# Altium PCB JDR2812（公开）.PcbDoc (part 1 of 3) (continued)
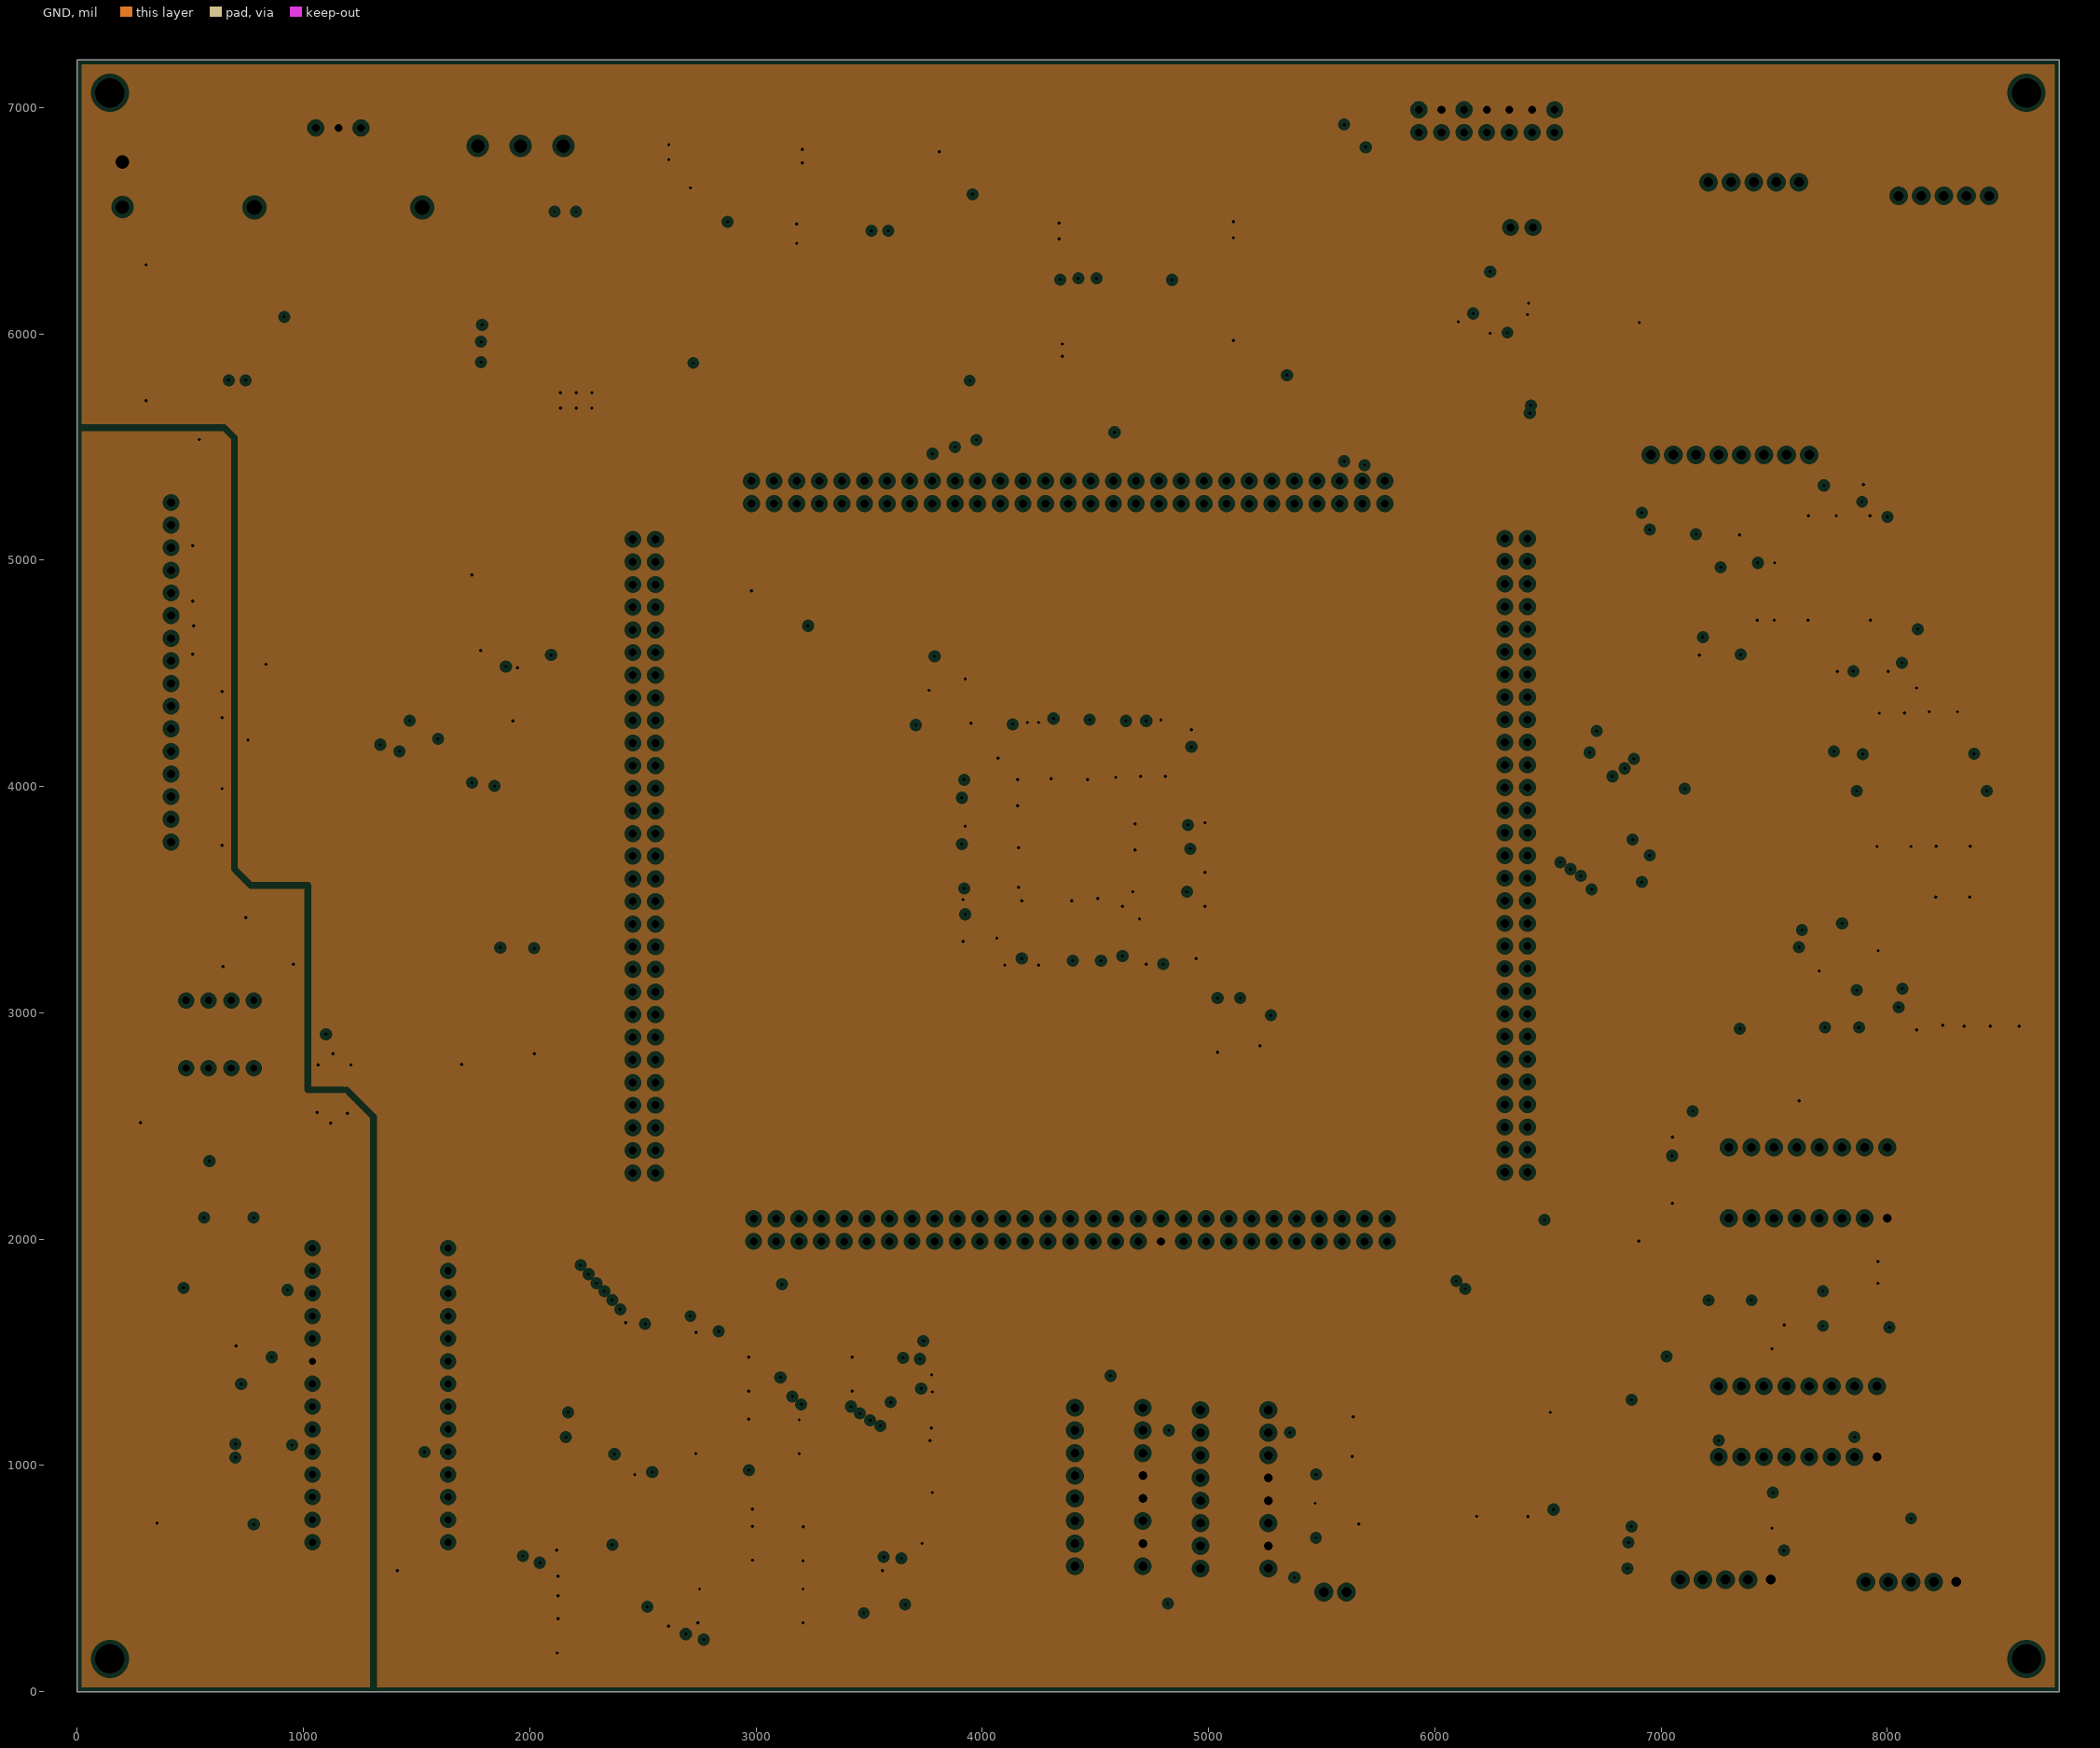
[diagram p3: GND, clearances drawn from the general rule]

## Layer stack, top to bottom
Top Solder: solder mask 0.4, Solder Resist, Dk 3.5
Top Layer: signal copper 1.4
Dielectric 1: dielectric 12.6, FR-4, Dk 4.8
VCC: plane copper 1.4, net (Multiple Nets)
Dielectric2: dielectric 12.6, FR-4, Dk 4.8
GND: plane copper 1.4, net (Multiple Nets)
Dielectric3: dielectric 12.6, FR-4, Dk 4.8
Bottom Layer: signal copper 1.4
Bottom Solder: solder mask 0.4, Solder Resist, Dk 3.5

## Board outline
0,0 0,7210 8760,7210 8760,0

## Design rules (kind name [scope] priority, off if disabled: settings)
Clearance [All] p1: gap=10 ignorepadtopadclearanceinfootprint=TRUE
DiffPairsRouting [All] p1: maxlimit=10 minlimit=10 mostfreqgap=10 toplayer_minwidth=10 toplayer_maxwidth=15 toplayer_prefwidth=15 bottomlayer_minwidth=10 bottomlayer_maxwidth=15 bottomlayer_prefwidth=15 maxuncoupledlength=15000
DiffPairsRouting RXDiffPairsRouting [InDifferentialPair ('RX2') Or InDifferentialPair ('RX1')] p2: maxlimit=10 minlimit=10 mostfreqgap=10 toplayer_minwidth=15 toplayer_maxwidth=15 toplayer_prefwidth=15 bottomlayer_minwidth=15 bottomlayer_maxwidth=15 bottomlayer_prefwidth=15 maxuncoupledlength=500
DiffPairsRouting TX2DiffPairsRouting [InDifferentialPair ('TX2')] p3: maxlimit=10 minlimit=10 mostfreqgap=10 toplayer_minwidth=15 toplayer_maxwidth=15 toplayer_prefwidth=15 bottomlayer_minwidth=15 bottomlayer_maxwidth=15 bottomlayer_prefwidth=15 maxuncoupledlength=500
DiffPairsRouting TX1DiffPairsRouting [All] p4: maxlimit=10 minlimit=10 mostfreqgap=10 toplayer_minwidth=15 toplayer_maxwidth=15 toplayer_prefwidth=15 bottomlayer_minwidth=15 bottomlayer_maxwidth=15 bottomlayer_prefwidth=15 maxuncoupledlength=500
HoleSize [All] p1: absolutevalues=TRUE maxlimit=150 minlimit=1 maxpercent=80.000 minpercent=20.000
MatchedLengths RX2MatchedLengths [InDifferentialPair('D_RX2')] p1: tolerance=1000 checknetsindiffpair=FALSE checkdiffpairvsdiffpair=TRUE checkxsignals=TRUE checkothers=TRUE
MatchedLengths RX1MatchedLengths [InDifferentialPair('D_RX1')] p2: tolerance=1000 checknetsindiffpair=FALSE checkdiffpairvsdiffpair=TRUE checkxsignals=TRUE checkothers=TRUE
MatchedLengths TX2MatchedLengths [InDifferentialPair('D_TX2')] p3: tolerance=1000 checknetsindiffpair=FALSE checkdiffpairvsdiffpair=TRUE checkxsignals=TRUE checkothers=TRUE
MatchedLengths TX1MatchedLengths [InDifferentialPair('D_TX1')] p4: tolerance=1000 checknetsindiffpair=FALSE checkdiffpairvsdiffpair=TRUE checkxsignals=TRUE checkothers=TRUE
MinimumSolderMaskSliver [All] p1: minsoldermaskwidth=0
PlaneClearance [All] p1: clearance=20
PlaneConnect [All] p1: planeconnectstyle=Relief reliefexpansion=20 reliefentries=4 reliefconductorwidth=10 reliefairgap=10
PolygonConnect [All] p1: connectstyle=Relief reliefconductorwidth=10 reliefentries=4 polygonreliefangle="90 Angle" airgapwidth=10
RoutingVias RoutingVias_1 [All] p1: holewidth=12 width=26 viastyle="Through Hole" minholewidth=12 minwidth=24 maxholewidth=150 maxwidth=150
RoutingVias 电源过孔 [InNetClass('电源&地')] p2: holewidth=14 width=40 viastyle="Through Hole" minholewidth=14 minwidth=24 maxholewidth=20 maxwidth=40
SilkToSilkClearance [All] p1: silktosilkclearance=2
SilkToSolderMaskClearance [IsPad] p1: minsilkscreentomaskgap=0 clearancetoexposedcopper=TRUE
SolderMaskExpansion [All] p1: expansion=4 istentingtop=FALSE
Width 电源线 [InNetClass('电源&地')] p1: maxlimit=35 minlimit=10 preferedwidth=30
Width Width_1 [All] p2: maxlimit=10 minlimit=6 preferedwidth=10 minimp=50.000000 maximp=50.000000 favimp=50.000000
23 further rules are at their usual default settings.

## Classes and differential pairs
net class 电源&地: 1.8V 3.3V 3.3V_1 5V 12V 12V_1 +12V -12V GND GND_OC GNDA NetD2_2 NetD3_2 NetD9_2
differential pair D_RX1: +RX1+ -RX1-
differential pair D_RX2: +RX2+ -RX2-
differential pair D_TX2: +TX2+ -TX2-
differential pair D_TX1: +TX1+ -TX1-

## Components (designator, comment, footprint, x,y, rotation, side; value= is the part's Value field where it differs from the comment)
#R2 "50K" R0805#1 912.2,2096 r180 top
#R3 "50K" R0805#1 821,1759 r0 top
C1 "104" C0805#1 1729,4251.8 r90 bottom
C2 "104" C0805#1 1851,4253.2 r270 bottom
C3 "104" C0805#1 1901,4703.2 r270 bottom
C4 "104" C0805#1 1774,4701.8 r90 bottom
C5 "104" C0805#2 7551,761.8 r90 bottom
C6 "104" C0805#1 820.9,1186 r0 bottom
C7 "104" C0805#1 823.2,1289 r180 bottom
C8 "104" C0805#1 820.9,1651 r0 bottom
C9 "104" C0805#1 824.1,1519.9 r180 bottom
C10 "104" C0805#1 469,2480 r270 top
C11 "104" C0805#1 371,2476.8 r90 top
C12 "钽电容E型100uF/25V" "钽电容 E壳(7342H)" 2485,6660 r90 top value=100uF/25V
C13 "钽电容D型100uF/16V" "钽电容 D壳(7343)" 3256.39,6648.43 r270 top value=100uF/16V
C14 "104" C0805#2 2773.2,6494 r180 top value=10nF
C15 "104" C0805#2 2763.2,6809 r180 top value=10nF
C16 "钽电容B型22uF/16V" "钽电容 B壳(3528)" 4234.99,6352.14 r90 top value=22uF/16V
C17 "104" C0805#2 4431,6383.2 r270 top
C18 "钽电容B型22uF/16V" "钽电容 B壳(3528)" 5224.99,6352.14 r90 top value=22uF/16V
C19 "104" C0805#2 5000,6395 r270 top
C20 "104" C0805#2 1739,4815 r90 top
C21 "104" C0805#2 7134,2408.2 r270 bottom
C22 "104" C0805#1 809,3330 r90 bottom
C23 "104" C0805#1 961,3330 r270 bottom
C24 "104" C0805#1 820.9,1071 r0 bottom
C25 "104" C0805#1 820.9,1421 r0 bottom
C26 "钽电容B型22uF/16V" "钽电容 B壳(3528)" 4239.99,5862.14 r90 top value=22uF/16V
C27 "104" C0805#2 4451,5873.2 r270 top
C28 "钽电容B型22uF/16V" "钽电容 B壳(3528)" 5234.99,5887.14 r90 top value=22uF/16V
C29 "104" C0805#2 5016,5928.2 r270 top
C30 "钽电容E型100uF/25V" "钽电容 E壳(7342H)" 3365,6640 r90 top value=100uF/25V
C31 "钽电容D型100uF/16V" "钽电容 D壳(7343)" 3718.61,6621.57 r90 top value=100uF/16V
C32 "104" C0805#2 3704,6501.8 r90 top value=10nF
C33 "104" C0805#2 3709,6756.8 r90 top value=10nF
C34 "104" C0805#2 7706,3325.9 r90 bottom
C35 "104" C0805#2 7956,4183.2 r270 bottom
C36 "0.1uF" C0805#2 4474,4167.2 r270 bottom value=100pF
C37 "0.1uF" C0805#2 4794,3373.2 r270 bottom value=100pF
C39 "0.1uF" C0805#2 4804,4168.2 r270 bottom value=100pF
C40 "0.1uF" C0805#2 4029.1,3735 r180 bottom value=100pF
C41 "0.1uF" C0805#2 4169,3363.2 r270 bottom value=100pF
C42 "0.1uF" C0805#2 4316,4169 r90 bottom value=100pF
C43 "0.1uF" C0805#2 4706,4165.9 r90 bottom value=100pF
C44 "0.1uF" C0805#2 4796.8,3829 r0 bottom value=100pF
C45 "0.1uF" C0805#2 4614,3360.1 r270 bottom value=100pF
C46 "0.1uF" C0805#2 4028.2,3441 r180 bottom value=100pF
C47 "0.1uF" C0805#2 4796.8,3529 r0 bottom value=100pF
C48 "0.1uF" C0805#2 4025,4036 r180 bottom value=100pF
C49 "0.1uF" C0805#2 4025,3921 r180 bottom value=100pF
C50 "0.1uF" C0805#2 4186,4160 r90 bottom value=100pF
C51 "0.1uF" C0805#2 4026.8,3549 r0 bottom value=100pF
C52 "0.1uF" C0805#2 4389,3370 r270 bottom value=100pF
C53 "104" C0805#2 5046,2935 r90 bottom
C54 "105" C0805#2 3660,4430 r180 bottom
C55 "104" C0805#2 6285,6096 r180 bottom
C56 "104" C0805#2 8301,4183.2 r270 bottom
C57 "104" C0805#2 8136,3065.9 r90 bottom
C58 "104" C0805#2 7804,5298.2 r270 bottom
C59 "104" C0805#2 8141,4580 r90 bottom
C60 "104" C0805#2 2614,1618 r0 bottom
C61 "104" C0805#2 3691,1407 r180 bottom
C62 "104" C0805#2 7271,4620 r90 bottom
C63 "104" C0805#2 7255.67,5075 r270 bottom
C64 "104" C0805#2 3692.2,1285 r180 bottom
C65 "104" C0805#2 2501.8,1044 r0 bottom
C66 "104" C0805#2 2245,599 r0 bottom
C67 "104" C0805#2 3606,662 r180 bottom
C68 "104" C0805#2 5515,745 r180 bottom
C69 "104" C0805#2 3556,391 r180 bottom
C70 "104" C0805#2 2650,375 r0 bottom
C71 "104" C0805#2 6179,905 r90 top
C72 "104" C0805#2 5507.8,885 r0 bottom
C73 "22uF" C0805#2 6405,910 r90 top
C74 "0.1uF" C0805#2 4596,4165 r90 bottom value=100pF
C75 "0.1uF" C0805#2 4504,3370 r270 bottom value=100pF
C76 "0.1uF" C0805#2 4795,3719 r0 bottom value=100pF
CT1 "22uF" "钽电容 C壳(6032)" 585,981.89 r270 bottom
CT2 "22uF" "钽电容 C壳(6032)" 355,976.89 r270 bottom
CT3 "22uF" "钽电容 C壳(6032)" 355,1465 r270 bottom
CT4 "22uF" "钽电容 C壳(6032)" 575,1470 r270 bottom
D1 "CD40109BNSR" SOP16 1655,4490.11 r270 top
D2 "SR560" DO-201AD 1140,6550 r0 top
D3 "1N5824" SOD-323_L1.7-W1.3-LS2.5-FD 47899.39,-41009.65 r270 top
D4 "FOP07ARDC" DIP8 630,2900 r0 top
D5 "SMF5.0A" SOD-123FL_L2.7-W1.8-LS3.8-RD 54450.54,-45387.44 r270 top
D6 "SMF5.0A_C908213" SOD-123FL_L2.7-W1.8-LS3.8-RD -39932.44,-44880.54 r180 top
D7 "SMF5.0A" SOD-123FL_L2.7-W1.8-LS3.8-RD 54752.44,48765.54 r0 top
D8 "SMF5.0A" SOD-123FL_L2.7-W1.8-LS3.8-RD 54752.44,48860.54 r0 top
D9 "1N5824" SOD-323_L1.7-W1.3-LS2.5-FD 49774.39,-40969.65 r270 top
J1 "Header 5" KF2EDGK-2.54-WI-5P#1 7285,495 r0 top
J2 "Header 3" HDR1X3 1055,6910 r0 top
J3 "Header 5" KF2EDGK-2.54-WI-5P#1 8105,485 r0 top
J4 "DC 12V/3A" CDS-508H-2P 200,6760 r270 top
J5 "排针" 16PIN 415,4505 r90 top
J6 "Header 8" header8 7455,5465 r180 top
J7 "Header 5" KF2EDGK-2.54-WI-5P#2 7410,6917.4 r0 top
J8 "Header 2" KF2EDGK-2.54-WI-2P 5422.6,89.69 r0 top
J9 "Header 5" KF2EDGK-2.54-WI-5P#1 8250,6610 r180 top
JP1 "JP" 2PIN-2.54 6386,6472 r270 top
JTAG1 "Header 7X2" HDR2X6 5930,6890 r0 top
KEY1 "KEY" "TSW SMD-6*6*6" 5836.77,6141.83 r180 top
L1 "33UH" SHC1004 1137,5995 r0 top
L2 "33UH" SHC1004 3010,6000 r0 top
P1 "Header29x2" "29PIN X 2"#1 2515,3485 r270 top
P2 "Header29x2" "29PIN X 2"#2 4183,2049 r180 top
P3 "Header29x2" "29PIN X 2"#1 6351,3902 r90 top
P4 "Header29x2" "29PIN X 2"#2 4587,5291 r0 top
R1 "51" R0805#1 2014,4697.8 r90 bottom
R2 "200" R0805#1 1616,4254 r270 bottom
R3 "0" R0805#1 1125,2660 r270 top
R4 "51Ω" R0805#2 7416,762.2 r270 top
R5 "51Ω" R0805#2 7296,762.2 r270 top
R6 "51Ω" R0805#2 7766,762.2 r270 top
R7 "51" R0805#1 822.2,1176 r180 top
R8 "51" R0805#1 822.2,1406 r180 top
R9 "51Ω" R0805#2 7656,762.2 r270 top
R10 "10KΩ" R0805#2 7599,1517.8 r90 top
R11 "300" R0805#1 589,2477.2 r270 top
R12 "1M" R0805#1 631,3291 r0 bottom
R13 "1M" R0805#1 632.8,3417.29 r0 bottom
R14 "1M" R0805#1 632.8,3544.57 r0 bottom
R15 "1M" R0805#1 632.8,3671.86 r0 bottom
R16 "1M" R0805#1 632.8,3799.14 r0 bottom
R17 "1M" R0805#1 632.8,3926.43 r0 bottom
R18 "1M" R0805#1 632.8,4053.71 r0 bottom
R19 "1M" R0805#1 632.8,4181 r0 bottom
R20 "2K" R0805#1 841,3676 r90 top
R21 "2K" R0805#1 968.14,3676 r90 top
R22 "51" R0805#1 1869,4822.2 r270 top
R23 "130Ω" R0805#2 7174,1851 r90 top
R24 "2K" R0805#1 1095.29,3676 r90 top
R25 "1k" R0805#2 7136,2119 r270 top
R26 "2K" R0805#1 1222.43,3676 r90 top
R27 "5.1" R0805#2 7144,2407.8 r90 top
R28 "2K" R0805#1 1349.57,3676 r90 top
R29 "1k" R0805#2 7344,1521 r90 top
R30 "10K" R0805#1 1696,2656 r90 top
R31 "2K" R0805#1 1476.71,3676 r90 top
R32 "2K" R0805#1 1603.86,3676 r90 top
R33 "10K" R0805#1 822.2,1061 r180 top
R34 "2K" R0805#1 1731,3676 r90 top
R35 "51" R0805#2 7406.5,1851 r90 top
R36 "300" R0805#1 1019,2874 r270 top
R37 "2K" R0805#1 1629,4817.2 r270 top
R38 "51" R0805#2 7290.25,1851 r90 top
R39 "100k" R0805#1 824,1636 r180 top
R40 "51" R0805#1 821.9,1299 r0 top
R41 "5.1" R0805#1 822.2,836 r180 top
R42 "2K" R0805#1 1501.86,4817.2 r270 top
R43 "51" R0805#2 7639,1851 r90 top
R44 "2K" R0805#1 1374.71,4817.2 r270 top
R45 "5.1" R0805#1 822.2,951 r180 top
R46 "100" R0805#1 822.2,1526 r180 top
R47 "51" R0805#2 7522.75,1851 r90 top
R48 "2K" R0805#1 1247.57,4817.2 r270 top
R49 "100" R0805#1 340,2910 r90 top
R50 "2K" R0805#1 1120.43,4817.2 r270 top
R51 "1k" R0805#2 7715,1520 r90 top
R52 "2K" R0805#1 993.29,4817.2 r270 top
R53 "10K" R0805#2 7704,2571 r90 top
R54 "2K" R0805#1 866.14,4817.2 r270 top
R55 "1k" R0805#2 7981,761 r0 top
R56 "2K" R0805#1 739,4817.2 r270 top
R57 "130Ω" R0805#2 8056,1852.2 r270 top
R58 "1M" R0805#2 630,4511 r180 bottom
R59 "1M" R0805#2 630,4638.14 r180 bottom
R60 "1M" R0805#2 630,4765.29 r180 bottom
R61 "1M" R0805#2 630,4892.43 r180 bottom
R62 "1M" R0805#2 630,5019.57 r180 bottom
R63 "1M" R0805#2 630,5146.71 r180 bottom
R64 "1M" R0805#2 630,5273.86 r180 bottom
R65 "1M" R0805#2 630,5401 r180 bottom
R66 "2K" R0805#2 6682.2,6469 r180 top
R67 "10K" R0805#2 3659,4571 r180 bottom
R68 "10kΩ" R0805#2 6285,6205 r180 top
R69 "33Ω" R0805#2 5366,2942.8 r90 bottom
R70 "5.1Ω" R0805#2 7704,3326 r90 top
R71 "5.1Ω" R0805#2 7958,4182.2 r270 top
R72 "33Ω" R0805#2 3659,4711 r180 bottom
R73 "10K" R0805#2 6869,6139 r180 top
R74 "5.1" R0805#2 6282.8,6086 r0 top
R75 "10KΩ" R0805#2 8081,4181.9 r90 top
R76 "10KΩ" R0805#2 8196,4181.9 r90 top
R77 "5.1Ω" R0805#2 8311,4181.9 r90 top
R78 "5.1Ω" R0805#2 8126,3069 r270 top
R79 "10KΩ" R0805#2 8353.5,3067.2 r270 top
R80 "5.1Ω" R0805#2 7806,5297.2 r270 top
R81 "5.1Ω" R0805#2 8139,4581 r90 top
R82 "10KΩ" R0805#2 8467.25,3067.2 r270 top
R83 "10KΩ" R0805#2 8581,3067.2 r270 top
R84 "3K" R0805#2 6791,6851 r0 top
R85 "3K" R0805#2 6789,6979 r180 top
R86 "5.1Ω" R0805#2 2615,1620 r0 top
R87 "5.1Ω" R0805#2 3690,1405 r180 top
R88 "5.1" R0805#2 7269,4621 r90 top
R89 "5.1" R0805#2 7257.67,5074 r270 top
R90 "5.1Ω" R0805#2 3690,1275 r0 top
R91 "5.1Ω" R0805#2 2504,1054 r180 top
R92 "10KΩ" R0805#2 3687.8,1161 r0 top
R93 "10KΩ" R0805#2 3687.8,1049.15 r0 top
R94 "10KΩ" R0805#2 3687.8,937.31 r0 top
R95 "10KΩ" R0805#2 3686,821 r0 top
R96 "5.1Ω" R0805#2 2246,601 r0 top
R97 "5.1Ω" R0805#2 3605,660 r180 top
R98 "10K" R0805#2 5507.2,1044 r180 top
R99 "10KΩ" R0805#2 2249,499 r180 top
R100 "10KΩ" R0805#2 2249,389 r180 top
R101 "10KΩ" R0805#2 2247.2,279 r180 top
R102 "10KΩ" R0805#2 2249,159 r180 top
R103 "5.1Ω" R0805#2 3554.7,381 r0 top
R104 "5.1Ω" R0805#2 2651,376 r0 top
R105 "10K" R0805#2 5507.2,1214 r180 top
R106 "5.1" R0805#2 6299,906 r90 top
R107 "10KΩ" R0805#2 6529,916 r90 top
R108 "5.1" R0805#2 7541,764 r270 top
R109 "5.1" R0805#2 5514,744 r180 top
R110 "5.1" R0805#2 5510,895 r180 top
R111 "10KΩ" R0805#2 8241,3069 r270 top
SW1 "SYS_RST" "TSW SMD-6*6*6" 3240,4775 r0 top
U1 "KAIGUAN" KAIGUAN 1961.02,6829 r0 top
U2 "AM26C31IN" PDIP-16_L19.3-W6.4-P2.54-LS7.9-BL 54193.19,48003.94 r0 top
U3 "LM2596S-5.0" TO-263-5_L10.2-W8.6-P1.70-LS14.4-BR 47133.64,52796.59 r0 top
U4 "AS1117-3.3" SOT223 4725,6380 r0 top
U5 "AD574ATD" DIP28 1040,660 r0 top
U6 "LM2596S-3.3" TO-263-5_L10.1-W8.7-P1.70-LS14.4-BR 49028.74,52799.66 r0 top
U7 "AS1117-1.8" SOT223 4745,5880 r0 top
U8 "AM26C32IN" PDIP-16_L19.3-W6.4-P2.54-LS7.9-BL 54238.19,49058.94 r0 top
U9 "CD4067BM96" SOIC-24_L15.4-W7.5-P1.27-LS10.3-BL -45679.98,51044.45 r180 top
U10 "OT322530MJBA4SL_1" OSC-SMD_4P-L3.2-W2.5-BL-1 52112.44,49881.5 r0 top value=30MHz
U11 "MAX706TESA+T" SOIC-8_L4.9-W3.9-P1.27-LS6.0-BL 53454.74,-40729.7 r270 top
U12 "JDSPR2812" CQFP172 3818.7,4271.3 r0 top
U13 "W25Q32JVSSIQ_C82344" SOIC-8_L5.3-W5.3-P1.27-LS8.0-BL 48833.88,49870.71 r0 top
U14 "SN74ALVC164245DL" CFP48 8152.5,3623.62 r90 top
U15 "ULN2803ADWR" SOIC-18_L11.6-W7.5-P1.27-LS10.3-BL 54575,52785.7 r0 top
U16 "SN74ALVC164245DL" CFP48 7715,4850 r270 top
U17 "SN74ALVC164245DL" CFP48 3080,1265 r0 top
U18 "AD558JNZ" PDIP-16_L22.1-W6.3-P2.54-LS7.6-BL 51931.14,-45661.02 r270 top
U20 "SN74LVC1G14DBVR" SOT-23-5_L3.0-W1.7-P0.95-LS2.8-BR 53315.98,48125 r0 top
U21 "AD558JNZ" PDIP-16_L22.1-W6.3-P2.54-LS7.6-BL 51376.14,-45651.02 r270 top
V1 "LL4448" 2DK010 7025,1535 r0 top
V2 "LL4448" 2DK010 8010,1520 r180 top
? "SN74ALVC164245DL" CFP48 3096.38,517.5 r0 top

## Footprints (in the part's own frame and the unit in brackets; to place one, negate y for a bottom-side part, rotate by r counter-clockwise, add the part's x,y. Pads: shape width x height; smd on the part's side, far side on the other; paste and mask are expansions set on the pad)
2DK010 [mil]
  rect 60x60 smd: 1(0,0) 2(135,0)
  silkscreen extent -102,-50 185,65
2PIN-2.54 [mm]
  round 1.5 hole 0.9: 1(0.051,1.245) 2(0.051,-1.295)
  silkscreen extent -1.14,-2.54 1.27,2.41
16PIN [mm]
  rect 1.5x1.5 hole 0.9: 1(-19.05,0)
  round 1.5 hole 0.9: 2(-16.51,0) 3(-13.97,0) 4(-11.43,0) 5(-8.89,0) 6(-6.35,0) 7(-3.81,0) 8(-1.27,0) 9(1.27,0) 10(3.81,0) 11(6.35,0) 12(8.89,0) 13(11.43,0) 14(13.97,0) 15(16.51,0) 16(19.05,0)
  silkscreen extent -20.32,-1.3 20.5,1.27
"29PIN X 2"#1 [mm]
  rect 1.5x1.5 hole 0.9: 1(-40.818,1.041)
  round 1.5 hole 0.9: 2(-38.278,1.041) 3(-35.738,1.041) 4(-33.198,1.041) 5(-30.658,1.041) 6(-28.118,1.041) 7(-25.578,1.041) 8(-23.038,1.041) 9(-20.498,1.041) 10(-17.958,1.041) 11(-15.418,1.041) 12(-12.878,1.041) 13(-10.338,1.041) 14(-7.798,1.041) 15(-5.258,1.041) 16(-2.718,1.041) 17(-0.178,1.041) 18(2.362,1.041) 19(4.902,1.041) 20(7.442,1.041) 21(9.982,1.041) 22(12.522,1.041) 23(15.062,1.041) 24(17.602,1.041) 25(20.142,1.041) 26(22.682,1.041) 27(25.222,1.041) 28(27.762,1.041) 29(30.302,1.041) 30(-40.818,-1.499) 31(-38.278,-1.499) 32(-35.738,-1.499) 33(-33.198,-1.499) 34(-30.658,-1.499) 35(-28.118,-1.499) 36(-25.578,-1.499) 37(-23.038,-1.499) 38(-20.498,-1.499) 39(-17.958,-1.499) 40(-15.418,-1.499) 41(-12.878,-1.499) 42(-10.338,-1.499) 43(-7.798,-1.499) 44(-5.258,-1.499) 45(-2.718,-1.499) 46(-0.178,-1.499) 47(2.362,-1.499) 48(4.902,-1.499) 49(7.442,-1.499) 50(9.982,-1.499) 51(12.522,-1.499) 52(15.062,-1.499) 53(17.602,-1.499) 54(20.142,-1.499) 55(22.682,-1.499) 56(25.222,-1.499) 57(27.762,-1.499) 58(30.302,-1.499)
  silkscreen extent -42.09,-2.77 31.62,2.31
"29PIN X 2"#2 [mm]
  rect 1.5x1.5 hole 0.9: 1(-40.818,-1.041)
  round 1.5 hole 0.9: 2(-38.278,-1.041) 3(-35.738,-1.041) 4(-33.198,-1.041) 5(-30.658,-1.041) 6(-28.118,-1.041) 7(-25.578,-1.041) 8(-23.038,-1.041) 9(-20.498,-1.041) 10(-17.958,-1.041) 11(-15.418,-1.041) 12(-12.878,-1.041) 13(-10.338,-1.041) 14(-7.798,-1.041) 15(-5.258,-1.041) 16(-2.718,-1.041) 17(-0.178,-1.041) 18(2.362,-1.041) 19(4.902,-1.041) 20(7.442,-1.041) 21(9.982,-1.041) 22(12.522,-1.041) 23(15.062,-1.041) 24(17.602,-1.041) 25(20.142,-1.041) 26(22.682,-1.041) 27(25.222,-1.041) 28(27.762,-1.041) 29(30.302,-1.041) 30(-40.818,1.499) 31(-38.278,1.499) 32(-35.738,1.499) 33(-33.198,1.499) 34(-30.658,1.499) 35(-28.118,1.499) 36(-25.578,1.499) 37(-23.038,1.499) 38(-20.498,1.499) 39(-17.958,1.499) 40(-15.418,1.499) 41(-12.878,1.499) 42(-10.338,1.499) 43(-7.798,1.499) 44(-5.258,1.499) 45(-2.718,1.499) 46(-0.178,1.499) 47(2.362,1.499) 48(4.902,1.499) 49(7.442,1.499) 50(9.982,1.499) 51(12.522,1.499) 52(15.062,1.499) 53(17.602,1.499) 54(20.142,1.499) 55(22.682,1.499) 56(25.222,1.499) 57(27.762,1.499) 58(30.302,1.499)
  silkscreen extent -42.09,-2.31 31.62,2.77
C0805#1 [mm]
  rect 1.3x1.5 smd: 1(-0.935,0.152) 2(1.016,0.152)
  silkscreen extent -2,-0.99 2.06,1.3
C0805#2 [mm]
  rect 1.3x1.5 smd: 1(-0.935,-0.152) 2(1.016,-0.152)
  silkscreen extent -2,-1.3 2.06,0.99
CDS-508H-2P [mm]
  round 2.5 hole 1.5: 1(0,0) 2(5.08,0)
  silkscreen extent -2.67,-1 7.75,11.1, body extent -2.46,-1.74 7.54,10.26, height 8.47
CFP48 [mm]
  rect 3.8x0.4 smd: 1(-5.807,7.302) 2(-5.807,6.667) 3(-5.807,6.032) 4(-5.807,5.397) 5(-5.807,4.763) 6(-5.807,4.127) 7(-5.807,3.492) 8(-5.807,2.857) 9(-5.807,2.222) 10(-5.807,1.587) 11(-5.807,0.952) 12(-5.807,0.317) 13(-5.807,-0.318) 14(-5.807,-0.953) 15(-5.807,-1.588) 16(-5.807,-2.223) 17(-5.807,-2.858) 18(-5.807,-3.492) 19(-5.807,-4.127) 20(-5.807,-4.763) 21(-5.807,-5.397) 22(-5.807,-6.032) 23(-5.807,-6.667) 24(-5.807,-7.302) 25(5.807,-7.302) 26(5.807,-6.667) 27(5.807,-6.032) 28(5.807,-5.397) 29(5.807,-4.763) 30(5.807,-4.127) 31(5.807,-3.492) 32(5.807,-2.857) 33(5.807,-2.222) 34(5.807,-1.587) 35(5.807,-0.952) 36(5.807,-0.317) 37(5.807,0.318) 38(5.807,0.953) 39(5.807,1.588) 40(5.807,2.223) 41(5.807,2.858) 42(5.807,3.492) 43(5.807,4.127) 44(5.807,4.763) 45(5.807,5.397) 46(5.807,6.032) 47(5.807,6.667) 48(5.807,7.302)